# KiCad board conceptpcb.kicad_pcb (continued)
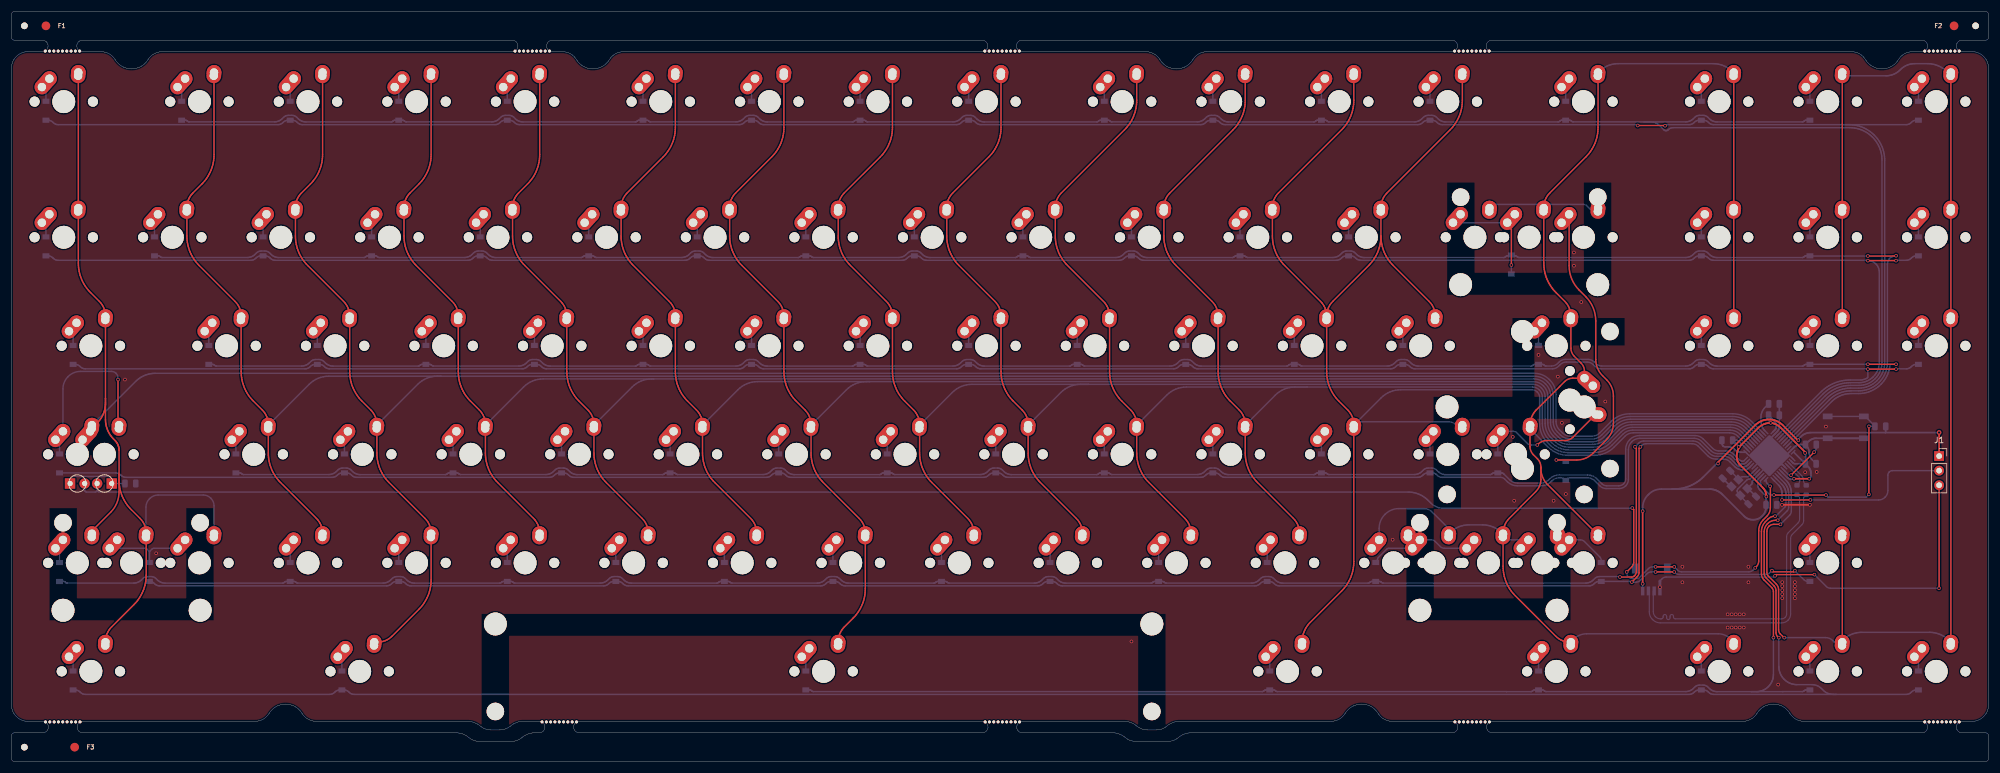
[diagram p0: board, top side]
## Nets
+5V: C4.2 C5.2 C6.2 C7.2 J1.1 J2.1 R1.1 U1.2 U1.7 U1.14 U1.24 U1.34 U1.44
GND: C1.2 C2.2 C3.2 C4.1 C5.1 C6.1 C7.1 J2.4 JP1.1 R2.1 R5.1 SW1.1 U1.1 U1.5 U1.15 U1.18 U1.23 U1.35 U1.43 U1.45 Y1.1 Y1.3
GND1: J1.3 JP1.2
col0: MX1.2 MX18.2 MX34.2 MX50.2 MX51.1 MX63.2 MX75.2 MX_LSHIFT2.2 MX_LSHIFT23.2 U1.32
col1: MX2.2 MX3.2 MX19.2 MX20.2 MX35.2 MX36.2 MX52.2 MX53.2 MX64.2 MX65.2 MX77.2 U1.31
col2: MX4.2 MX5.2 MX21.2 MX22.2 MX37.2 MX38.2 MX54.2 MX55.2 MX66.2 MX67.2 U1.30
col3: MX6.2 MX7.2 MX23.2 MX24.2 MX39.2 MX40.2 MX56.2 MX57.2 MX68.2 MX69.2 MX78.2 U1.29
col4: MX8.2 MX9.2 MX25.2 MX26.2 MX41.2 MX42.2 MX58.2 MX59.2 MX70.2 MX71.2 U1.28
col5: MX10.2 MX11.2 MX27.2 MX28.2 MX43.2 MX44.2 MX60.2 MX61.2 MX72.2 MX73.2 U1.27
col6: MX12.2 MX13.2 MX29.2 MX30.2 MX45.2 MX46.2 MX62.2 MX79.2 MX_enterISO1.2 U1.26
col7: MX14.2 MX15.2 MX31.2 MX47.2 MX81.2 MX82.2 MX_backspace_1.2 MX_backspace_2.2 MX_backspace_3.2 MX_enter1.2 MX_enter2.2 MX_rshift1.2 MX_rtab_1.2 MX_splitrshift1.2 MX_splitrshift2.2 MX_splitrshiftISO1.1 MX_splitrshiftISO2.1 U1.25
col8: MX16.2 MX17.2 MX32.2 MX33.2 MX48.2 MX49.2 MX74.2 MX83.2 MX84.2 U1.8
D+: J2.3 R3.2
D-: J2.2 R4.2
RGBLED: J1.2 U1.11
row0: D2.1 D4.1 D6.1 D8.1 D10.1 D12.1 D14.1 D16.1 D18.1 U1.39
row1: D3.1 D5.1 D7.1 D9.1 D11.1 D13.1 D15.1 D17.1 U1.38
row2: D19.1 D21.1 D23.1 D25.1 D27.1 D29.1 D31.1 D33.1 D35.1 U1.37
row3: D20.1 D22.1 D24.1 D26.1 D28.1 D30.1 D32.1 D34.1 U1.40
row4: D36.1 D38.1 D40.1 D42.1 D44.1 D46.1 D48.1 D50.1 D52.1 U1.36
row5: D37.1 D39.1 D41.1 D43.1 D45.1 D47.1 D49.1 D51.1 U1.41
row6: D53.1 D55.1 D57.1 D59.1 D61.1 D63.1 D66.1 D82.1 U1.21
row7: D54.1 D56.1 D58.1 D60.1 D62.1 D64.1 D65.1 U1.22
row8: D67.1 D69.1 D71.1 D73.1 D75.1 D77.1 D79.1 D80.1 U1.19
row9: D68.1 D70.1 D72.1 D74.1 D76.1 D78.1 D86.1 U1.20
row10: D81.1 D83.1 D88.1 D90.1 U1.9
row11: D84.1 D85.1 D87.1 D89.1 U1.10
XTAL1: C1.1 U1.17 Y1.2
XTAL2: C2.1 U1.16 Y1.4
Net-(D1-A): D1.2 D1#2.2 U1.12
Net-(D1-K): D1.1 D1#2.1 R2.2
Net-(D2-A): D2.2 MX1.1
Net-(D3-A): D3.2 MX2.1
Net-(D4-A): D4.2 MX3.1
Net-(D5-A): D5.2 MX4.1
Net-(D6-A): D6.2 MX5.1
Net-(D7-A): D7.2 MX6.1
Net-(D8-A): D8.2 MX7.1
Net-(D9-A): D9.2 MX8.1
Net-(D10-A): D10.2 MX9.1
Net-(D11-A): D11.2 MX10.1
Net-(D12-A): D12.2 MX11.1
Net-(D13-A): D13.2 MX12.1
Net-(D14-A): D14.2 MX13.1
Net-(D15-A): D15.2 MX14.1
Net-(D16-A): D16.2 MX15.1
Net-(D17-A): D17.2 MX16.1
Net-(D18-A): D18.2 MX17.1
Net-(D19-A): D19.2 MX18.1
Net-(D20-A): D20.2 MX19.1
Net-(D21-A): D21.2 MX20.1
Net-(D22-A): D22.2 MX21.1
Net-(D23-A): D23.2 MX22.1
Net-(D24-A): D24.2 MX23.1
Net-(D25-A): D25.2 MX24.1
Net-(D26-A): D26.2 MX25.1
Net-(D27-A): D27.2 MX26.1
Net-(D28-A): D28.2 MX27.1
Net-(D29-A): D29.2 MX28.1
Net-(D30-A): D30.2 MX29.1
Net-(D31-A): D31.2 MX30.1
Net-(D32-A): D32.2 MX_backspace_1.1 MX_backspace_2.1
Net-(D33-A): D33.2 MX31.1
Net-(D34-A): D34.2 MX32.1
Net-(D35-A): D35.2 MX33.1
Net-(D36-A): D36.2 MX34.1
Net-(D37-A): D37.2 MX35.1
Net-(D38-A): D38.2 MX36.1
Net-(D39-A): D39.2 MX37.1
Net-(D40-A): D40.2 MX38.1
Net-(D41-A): D41.2 MX39.1
Net-(D42-A): D42.2 MX40.1
Net-(D43-A): D43.2 MX41.1
Net-(D44-A): D44.2 MX42.1
Net-(D45-A): D45.2 MX43.1
Net-(D46-A): D46.2 MX44.1
Net-(D47-A): D47.2 MX45.1
Net-(D48-A): D48.2 MX46.1
Net-(D49-A): D49.2 MX_rtab_1.1
Net-(D50-A): D50.2 MX47.1
Net-(D51-A): D51.2 MX48.1
Net-(D52-A): D52.2 MX49.1
Net-(D53-A): D53.2 MX50.1 MX51.2
Net-(D54-A): D54.2 MX52.1
Net-(D55-A): D55.2 MX53.1
Net-(D56-A): D56.2 MX54.1
Net-(D57-A): D57.2 MX55.1
Net-(D58-A): D58.2 MX56.1
Net-(D59-A): D59.2 MX57.1
Net-(D60-A): D60.2 MX58.1
Net-(D61-A): D61.2 MX59.1
Net-(D62-A): D62.2 MX60.1
Net-(D63-A): D63.2 MX61.1
Net-(D64-A): D64.2 MX62.1
Net-(D65-A): D65.2 MX_enter1.1 MX_enter2.1
Net-(D66-A): D66.2 MX_backspace_3.1
Net-(D67-A): D67.2 MX63.1 MX_LSHIFT2.1
Net-(D68-A): D68.2 MX64.1
Net-(D69-A): D69.2 MX65.1
Net-(D70-A): D70.2 MX66.1
Net-(D71-A): D71.2 MX67.1
Net-(D72-A): D72.2 MX68.1
Net-(D73-A): D73.2 MX69.1
Net-(D74-A): D74.2 MX70.1
Net-(D75-A): D75.2 MX71.1
Net-(D76-A): D76.2 MX72.1
Net-(D77-A): D77.2 MX73.1
Net-(D78-A): D78.2 MX_rshift1.1 MX_splitrshift1.1 MX_splitrshiftISO1.2
Net-(D79-A): D79.2 MX_splitrshift2.1 MX_splitrshiftISO2.2
Net-(D80-A): D80.2 MX74.1
Net-(D81-A): D81.2 MX75.1
Net-(D82-A): D82.2 MX_enterISO1.1
Net-(D83-A): D83.2 MX77.1
Net-(D84-A): D84.2 MX78.1
Net-(D85-A): D85.2 MX79.1
Net-(D86-A): D86.2 MX_LSHIFT23.1
Net-(D87-A): D87.2 MX81.1
Net-(D88-A): D88.2 MX82.1
Net-(D89-A): D89.2 MX83.1
Net-(D90-A): D90.2 MX84.1
Net-(U1-D+): R3.1 U1.4
Net-(U1-D-): R4.1 U1.3
Net-(U1-UCAP): C3.1 U1.6
Net-(U1-~{HWB}/PE2): R5.2 U1.33
Net-(U1-~{RESET}): R1.2 SW1.2 U1.13

Pads without a net: U1 42

## Via types
v1: diameter 0.6, hole 0.4, Top to Bottom, 101 vias
v2: diameter 0.8, hole 0.4, Top to Bottom, 1 via

## Routing (per net, layer and track width the routed paths; a pad name or vN(x,y) marks a point on that pad's centre or on a via; arc(x,y) is an arc through that point)
+5V: length 156.6
  Top w0.3: v1(305.55,46.14) 305.55,46.17 305.54,46.39 305.51,46.6 305.46,46.81 305.38,47.01 305.29,47.2 305.18,47.38 305.06,47.55 304.91,47.71 301.01,51.61 300.87,51.77 300.74,51.94 300.63,52.13 300.54,52.32 300.47,52.52 300.42,52.73 300.39,52.94 300.38,53.15 300.39,53.43 300.43,53.72 300.5,53.99 300.6,54.26 300.72,54.52 300.86,54.76 301.03,54.99 301.22,55.2 304.09,58.07 304.32,58.27 304.57,58.46 304.83,58.61 305.1,58.74 305.39,58.85 305.69,58.92 305.99,58.97 306.3,58.98 v1(306.3,58.98) ; v1(284.01,30.95) v1(284.01,43.6) ; 311.03,55.96 308.41,58.58 308.16,58.8 307.89,59 307.61,59.17 307.31,59.31 307,59.42 306.67,59.5 306.35,59.55 306.02,59.57 305.98,59.57 305.65,59.55 305.32,59.5 305,59.42 304.69,59.31 304.39,59.17 304.1,59 303.84,58.8 303.59,58.58 297.14,52.12 v1(297.14,51.89) ; 306.26,58.99 306.54,58.94 306.82,58.88 307.08,58.78 307.34,58.66 307.58,58.51 307.81,58.34 308.02,58.15 312.38,53.8 ; J1.1 v2(335.62,57.3) ; v1(310.37,49.25) v1(313.01,49.25)
  Bottom w0.25: U1.14 304.03,49.11 304.03,48.26 304.04,48.12 304.06,47.98 304.1,47.84 304.14,47.71 304.21,47.58 304.28,47.45 304.36,47.34 304.46,47.24 v1(305.55,46.14) ; J2.1 v1(284.01,30.95)
  Bottom w0.3: 326.27,57.28 335.41,57.28 v2(335.62,57.3) ; 326.27,57.28 326.33,57.34 326.33,58.41 ; 326.27,57.28 313.26,57.28 313.02,57.27 312.79,57.23 312.56,57.18 312.33,57.1 312.12,56.99 311.91,56.87 311.72,56.73 311.55,56.57 311.03,56.05 ; 289.16,47.45 287.25,47.45 arc(286.07,47.21) 285.06,46.54 284.92,46.4 arc(284.25,45.39) 284.01,44.21 v1(284.01,43.6) ; 289.16,47.45 289.46,47.45 289.82,47.46 290.17,47.48 290.52,47.53 290.87,47.59 291.22,47.67 291.56,47.76 291.9,47.87 292.23,48 292.56,48.15 292.88,48.31 293.18,48.48 293.48,48.67 293.78,48.88 294.06,49.09 294.32,49.33 294.58,49.57 296.9,51.89 v1(297.14,51.89) ; 289.16,47.45 295.6,47.45 295.76,47.45 295.92,47.43 296.08,47.41 296.23,47.39 296.39,47.35 296.55,47.31 296.7,47.26 296.85,47.2 296.99,47.14 297.14,47.07 297.27,46.99 297.41,46.9 297.54,46.81 297.67,46.71 297.79,46.61 297.9,46.5 301.66,42.74 301.81,42.6 301.98,42.47 302.17,42.36 302.36,42.27 302.56,42.2 302.77,42.15 302.98,42.12 303.19,42.11 303.28,42.11 303.49,42.12 303.71,42.15 303.91,42.2 304.11,42.27 304.31,42.36 304.49,42.47 304.66,42.6 304.82,42.74 304.85,42.78 304.99,42.93 305.12,43.11 305.23,43.29 305.32,43.48 305.39,43.68 305.45,43.89 305.48,44.1 305.49,44.31 ; v1(310.37,49.25) 310.26,49.14 310,49.14 309.85,49.15 309.69,49.18 309.54,49.23 309.4,49.3 309.27,49.39 309.15,49.5 U1.7 ; 312.38,53.8 312.38,51.94 ; C7.2 310.54,51.85 arc(310.35,51.89) 310.18,52 U1.2 ; C7.2 312.82,51.37 312.93,51.25 313.03,51.11 313.11,50.97 313.18,50.82 313.24,50.67 313.28,50.51 313.3,50.34 313.31,50.18 313.31,49.75 arc(313.27,49.56) 313.17,49.4 v1(313.01,49.25) ; C7.2 310.32,53.86 ; v1(305.55,46.14) 305.49,46.08 C4.2 ; U1.34 307.03,57.76 307.15,57.9 307.24,58.06 307.29,58.24 307.31,58.43 307.31,58.43 307.28,58.66 307.22,58.89 307.1,59.1 306.95,59.28 C6.2 ; v1(306.3,58.98) 306.29,59 306.14,59.18 306.02,59.39 305.96,59.62 305.93,59.85 ; U1.24 300.71,55.81 arc(300.55,55.92) 300.36,55.96 C5.2 300.72,54.92 v1(300.72,54.78)
  vias: v1(311.12,55.96) v1(312.29,53.74)
GND: length 57.8
  Top w0.3: v1(308.28,44.7) v1(313.12,44.7)
  Bottom w0.2: U1.23 302.54,53.27 U1.45 309.62,53.27 U1.1 ; 305.37,53.27 U1.18 ; 306.08,51.86 U1.15
  Bottom w0.25: C7.1 313.52,52.54 313.41,52.67 313.3,52.81 313.21,52.96 313.14,53.12 313.08,53.28 313.03,53.45 313.01,53.63 313,53.8 313,53.81 312.99,53.99 312.97,54.16 312.92,54.33 312.86,54.5 312.79,54.66 312.69,54.81
  Bottom w0.3: C5.1 297.81,55.36 arc(297.84,55.17) 297.95,55.01 298.02,54.95 arc(298.18,54.84) 298.37,54.8 298.99,54.8 299.27,54.77 299.54,54.69 299.79,54.56 300.01,54.38 300.1,54.29 300.32,54.11 300.57,53.98 300.84,53.89 301.12,53.86 U1.23 ; 316.12,56.3 314.21,56.3 314.03,56.29 313.85,56.27 313.68,56.22 313.51,56.16 313.35,56.09 313.2,55.99 313.06,55.89 312.93,55.77 C3.2 311.59,55.2 311.41,55.19 311.23,55.17 311.06,55.12 310.89,55.06 310.73,54.99 310.58,54.9 310.44,54.79 310.31,54.67 U1.43 308.91,53.27 ; Y1.1 302.98,48.3 arc(303.06,48.43) 303.09,48.58 303.09,48.7 arc(303.12,48.86) 303.21,48.99 U1.15 ; 306.08,56.1 U1.35 307.45,57.47 307.6,57.66 307.72,57.87 307.78,58.09 307.81,58.33 C6.1 R5.1 ; 299.34,47.9 C1.2 ; 307.64,51.72 308.34,51.72 U1.5 ; 302.34,47.55 C2.2
  Bottom w0.375: 322.43,56.3 316.12,56.3
  vias: v1(19.76,66.52) v1(25.19,36.26) v1(195,20.91) v1(240.48,38.63) v1(261.4,56.54) v1(261.64,45.41) v1(265.88,70.82) v1(268.5,45.41) v1(269.24,67.03) v1(269.95,58.99) v1(270.63,46.59) v1(272.04,88.65) v1(272.04,86.35) v1(273.32,80.02) v1(277.5,62.69) v1(287.01,30.36) v1(290.93,33.92) v1(290.93,31.22) v1(298.81,25.63) v1(298.81,23.33) v1(299.51,25.63) v1(299.51,23.33) v1(300.21,25.63) v1(300.21,23.33) v1(300.91,25.63) v1(300.91,23.33) v1(301.61,25.63) v1(301.61,23.33) v1(302.43,33.92) v1(302.43,31.22) v1(307.6,13.4) v1(308.31,31.23) v1(308.31,30.53) v1(308.31,29.83) v1(308.31,29.13) v1(308.31,28.43) v1(310.51,31.23) v1(310.51,30.53) v1(310.51,29.83) v1(310.51,29.13) v1(310.51,28.43) v1(312.3,50.38) v1(314.31,50.43) v1(315.91,58.33)
GND1: length 67.9
  Top w0.25: v1(335.61,30.18) 335.62,30.2 J1.3 ; v1(313.92,32.55) 307.27,32.55 v1(307.05,32.33)
  Bottom w0.25: v1(313.92,32.55) 315.99,30.47 arc(316.32,30.26) 316.7,30.18 v1(335.61,30.18) ; JP1.2 287.4,31.84 arc(287.72,32.05) 288.11,32.13 306.85,32.13 v1(307.05,32.33)
col0: length 447.8
  Top w0.25: 18.73,50.02 18.73,54.21 18.72,54.33 18.72,54.45 18.7,54.57 18.68,54.68 18.66,54.8 18.62,54.91 18.59,55.03 18.54,55.14 18.5,55.24 18.44,55.35 18.38,55.45 18.32,55.55 18.25,55.65 18.18,55.74 18.1,55.83 18.02,55.92 17.78,56.16 17.62,56.33 17.46,56.51 17.32,56.7 17.18,56.89 17.05,57.09 16.94,57.3 16.83,57.51 16.73,57.73 16.65,57.95 16.57,58.17 16.51,58.4 16.46,58.63 16.42,58.87 16.39,59.1 16.37,59.34 16.37,59.58 16.37,63.25 ; 18.73,50.02 18.73,46.95 arc(18.35,45.04) 17.26,43.41 13.53,39.68 ; 18.73,50.02 18.73,49 18.74,48.64 18.76,48.29 18.81,47.93 18.87,47.58 18.94,47.24 19.04,46.89 19.15,46.56 19.28,46.22 19.42,45.9 19.58,45.58 19.76,45.27 19.95,44.97 20.15,44.68 20.37,44.4 20.6,44.13 20.85,43.87 22.39,42.33 22.63,42.07 22.84,41.78 23.02,41.48 23.18,41.16 23.3,40.82 23.38,40.48 ; 16.37,63.25 16.37,62.41 16.36,62.17 16.34,61.94 16.31,61.7 16.27,61.47 16.22,61.24 16.16,61.01 16.08,60.78 16,60.56 15.9,60.35 15.79,60.13 15.68,59.93 15.55,59.73 15.41,59.53 15.27,59.35 15.11,59.17 14.95,59 ; 16.37,63.25 16.37,75.89 ; MX63.2 23.45,32.46 23.44,32.1 23.42,31.75 23.37,31.4 23.31,31.05 23.24,30.7 23.14,30.36 23.03,30.02 22.9,29.69 22.76,29.36 22.6,29.04 22.42,28.74 22.23,28.43 22.03,28.14 21.81,27.86 21.58,27.59 21.33,27.34 17.43,23.43 17.19,23.17 16.98,22.88 16.79,22.58 16.64,22.26 16.52,21.92 16.43,21.58 ; 16.3,78.28 16.21,78.62 16.09,78.96 15.94,79.28 15.75,79.58 15.54,79.87 15.3,80.13 13.76,81.67 13.52,81.93 13.28,82.2 13.07,82.48 12.86,82.77 12.67,83.07 12.5,83.38 12.34,83.7 12.19,84.02 12.06,84.36 11.95,84.69 11.86,85.04 11.78,85.38 11.72,85.73 11.67,86.09 11.65,86.44 11.64,86.8 MX18.2 MX1.2
  Bottom w0.25: MX63.2 23.41,44.3 arc(23.56,45.07) 24,45.72 24.11,45.83 arc(24.76,46.26) 25.52,46.41 33.4,46.41 arc(34.09,46.28) 34.67,45.89 34.74,45.82 arc(35.13,45.23) 35.27,44.54 MX_LSHIFT2.2 ; U1.32 302.97,59.22 arc(301.47,60.21) 299.71,60.56 281.77,60.56 arc(280.01,60.21) 278.52,59.22 276.53,57.22 arc(275.88,56.79) 275.11,56.64 271.46,56.64 arc(270.7,56.79) 270.05,57.22 269.51,57.76 arc(269.08,58.41) 268.93,59.17 268.93,63.86 arc(268.65,65.23) 267.87,66.4 267.72,66.56 arc(266.55,67.34) 265.17,67.61 25.03,67.61 24.8,67.6 24.56,67.59 24.32,67.56 24.09,67.52 23.86,67.47 23.63,67.4 23.41,67.33 23.18,67.24 22.97,67.15 22.76,67.04 22.55,66.92 22.35,66.8 22.16,66.66 21.97,66.51 21.79,66.36 21.62,66.2 MX50.2
col1: length 481.9
  Top w0.25: 49.55,97.35 49.6,97.52 49.65,97.69 49.72,97.86 49.79,98.02 49.87,98.18 49.96,98.33 50.05,98.48 50.15,98.63 50.26,98.77 50.38,98.9 50.5,99.03 52.04,100.57 52.29,100.83 52.52,101.1 52.74,101.38 52.94,101.67 53.13,101.97 53.31,102.28 53.47,102.6 53.61,102.92 53.74,103.26 53.85,103.59 53.95,103.94 54.03,104.28 54.09,104.63 54.13,104.99 54.16,105.34 54.16,105.7 54.16,118.41 ; MX20.2 49.44,91.52 49.45,91.17 49.47,90.81 49.52,90.46 49.58,90.11 49.66,89.76 49.75,89.42 49.86,89.08 49.99,88.75 50.14,88.42 50.3,88.11 50.47,87.8 50.66,87.5 50.87,87.21 51.08,86.93 51.32,86.66 51.56,86.4 57.83,80.13 58.07,79.87 58.28,79.58 58.46,79.28 58.61,78.96 58.73,78.62 58.82,78.28 ; MX36.2 58.89,67.9 58.9,67.54 58.92,67.19 58.97,66.83 59.03,66.48 59.11,66.14 59.2,65.79 59.31,65.46 59.44,65.12 59.59,64.8 59.75,64.48 59.92,64.17 60.11,63.87 60.32,63.58 60.53,63.3 60.77,63.03 61.01,62.77 62.55,61.23 62.79,60.97 63,60.68 63.19,60.38 63.34,60.06 63.46,59.72 63.55,59.38 ; MX53.2 63.61,53.72 63.62,53.37 63.65,53.01 63.69,52.66 63.75,52.31 63.83,51.96 63.93,51.62 64.04,51.28 64.17,50.95 64.31,50.62 64.47,50.31 64.65,50 64.84,49.7 65.04,49.41 65.26,49.13 65.49,48.86 65.74,48.6 72,42.33 72.24,42.07 72.45,41.78 72.64,41.48 72.79,41.16 72.91,40.82 73,40.48 ; 54.1,40.48 54.01,40.82 53.89,41.16 53.74,41.48 53.55,41.78 53.34,42.07 53.1,42.33 46.84,48.6 46.59,48.86 46.36,49.13 46.14,49.41 45.94,49.7 45.75,50 45.57,50.31 45.41,50.62 45.27,50.95 45.14,51.28 45.03,51.62 44.93,51.96 44.85,52.31 44.79,52.66 44.75,53.01 44.72,53.37 44.71,53.72 MX52.2 ; MX35.2 39.99,67.9 40,67.54 40.02,67.19 40.07,66.83 40.13,66.48 40.21,66.14 40.3,65.79 40.41,65.46 40.54,65.12 40.69,64.8 40.85,64.48 41.02,64.17 41.21,63.87 41.42,63.58 41.63,63.3 41.87,63.03 42.11,62.77 43.65,61.23 43.89,60.97 44.1,60.68 44.29,60.38 44.44,60.06 44.56,59.72 44.65,59.38 ; 64.06,20.8 64.41,20.85 64.76,20.94 65.09,21.06 65.41,21.21 65.72,21.39 66,21.6 66.27,21.84 70.94,26.52 71.19,26.78 71.42,27.04 71.64,27.32 71.84,27.62 72.03,27.92 72.21,28.22 72.37,28.54 72.51,28.87 72.64,29.2 72.75,29.54 72.85,29.88 72.93,30.23 72.99,30.58 73.03,30.93 73.06,31.28 73.06,31.64 MX65.2 ; MX19.2 30.54,91.52 30.55,91.17 30.57,90.81 30.62,90.46 30.68,90.11 30.76,89.76 30.85,89.42 30.96,89.08 31.09,88.75 31.24,88.42 31.4,88.11 31.57,87.8 31.76,87.5 31.97,87.21 32.18,86.93 32.42,86.66 32.66,86.4 38.93,80.13 39.17,79.87 39.38,79.58 39.56,79.28 39.71,78.96 39.83,78.62 39.92,78.28 ; 30.65,97.35 30.7,97.52 30.75,97.69 30.82,97.86 30.89,98.02 30.97,98.18 31.06,98.33 31.15,98.48 31.25,98.63 31.36,98.77 31.48,98.9 31.6,99.03 33.14,100.57 33.39,100.83 33.62,101.1 33.84,101.38 34.04,101.67 34.23,101.97 34.41,102.28 34.57,102.6 34.71,102.92 34.84,103.26 34.95,103.59 35.05,103.94 35.13,104.28 35.19,104.63 35.23,104.99 35.26,105.34 35.27,105.7 35.27,118.41
  Bottom w0.25: MX53.2 70.73,65.69 71.08,66.01 71.46,66.29 71.87,66.54 72.3,66.74 72.74,66.9 73.2,67.02 73.67,67.08 74.14,67.11 74.78,67.11 ; 74.78,67.11 55.24,67.11 54.77,67.08 54.3,67.02 53.84,66.9 53.4,66.74 52.97,66.54 52.56,66.29 52.18,66.01 51.83,65.69 MX52.2 ; 74.78,67.11 265.13,67.11 arc(266.35,66.86) 267.39,66.17 267.5,66.06 arc(268.19,65.02) 268.44,63.8 268.44,59.12 arc(268.62,58.2) 269.14,57.42 269.69,56.87 arc(270.47,56.35) 271.39,56.16 275.18,56.16 arc(276.1,56.35) 276.88,56.87 278.87,58.86 arc(280.23,59.77) 281.84,60.09 299.65,60.09 arc(301.25,59.77) 302.62,58.86 U1.31
col2: length 419.7
  Top w0.25: 101.35,59.38 101.26,59.72 101.14,60.06 100.99,60.38 100.8,60.68 100.59,60.97 100.35,61.23 98.81,62.77 98.57,63.03 98.33,63.3 98.12,63.58 97.91,63.87 97.72,64.17 97.55,64.48 97.39,64.8 97.24,65.12 97.11,65.46 97,65.79 96.91,66.14 96.83,66.48 96.77,66.83 96.72,67.19 96.7,67.54 96.69,67.9 MX38.2 ; MX21.2 68.34,91.52 68.35,91.17 68.37,90.81 68.42,90.46 68.48,90.11 68.56,89.76 68.65,89.42 68.76,89.08 68.89,88.75 69.04,88.42 69.2,88.11 69.37,87.8 69.56,87.5 69.77,87.21 69.98,86.93 70.22,86.66 70.46,86.4 76.73,80.13 76.97,79.87 77.18,79.58 77.36,79.28 77.51,78.96 77.63,78.62 77.72,78.28 ; MX54.2 82.52,53.72 82.52,53.37 82.55,53.01 82.59,52.66 82.65,52.31 82.73,51.96 82.83,51.62 82.94,51.28 83.07,50.95 83.21,50.62 83.37,50.31 83.55,50 83.74,49.7 83.94,49.41 84.16,49.13 84.39,48.86 84.64,48.6 90.9,42.33 91.14,42.07 91.35,41.78 91.54,41.48 91.69,41.16 91.81,40.82 91.9,40.48 ; 68.45,97.35 68.5,97.52 68.55,97.69 68.62,97.86 68.69,98.02 68.77,98.18 68.86,98.33 68.95,98.48 69.05,98.63 69.16,98.77 69.28,98.9 69.4,99.03 70.94,100.57 71.19,100.83 71.42,101.1 71.64,101.38 71.84,101.67 72.03,101.97 72.21,102.28 72.37,102.6 72.51,102.92 72.64,103.26 72.75,103.59 72.85,103.94 72.93,104.28 72.99,104.63 73.03,104.99 73.06,105.34 73.06,105.7 73.06,118.41 ; 96.62,78.28 96.53,78.62 96.41,78.96 96.26,79.28 96.08,79.58 95.87,79.87 95.63,80.13 89.36,86.4 89.12,86.66 88.88,86.93 88.67,87.21 88.46,87.5 88.27,87.8 88.1,88.11 87.94,88.42 87.79,88.75 87.66,89.08 87.55,89.42 87.46,89.76 87.38,90.11 87.32,90.46 87.27,90.81 87.25,91.17 87.24,91.52 MX22.2 ; 91.97,118.41 91.97,105.7 91.96,105.34 91.93,104.99 91.89,104.63 91.83,104.28 91.75,103.94 91.65,103.59 91.54,103.26 91.41,102.92 91.27,102.6 91.11,102.28 90.93,101.97 90.74,101.67 90.54,101.38 90.32,101.1 90.09,100.83 89.84,100.57 88.3,99.03 88.18,98.9 88.06,98.77 87.95,98.63 87.85,98.48 87.76,98.33 87.67,98.18 87.59,98.02 87.52,97.86 87.45,97.69 87.4,97.52 87.35,97.35 ; 82.45,59.38 82.36,59.72 82.24,60.06 82.09,60.38 81.9,60.68 81.69,60.97 81.45,61.23 79.91,62.77 79.67,63.03 79.43,63.3 79.22,63.58 79.01,63.87 78.82,64.17 78.65,64.48 78.49,64.8 78.34,65.12 78.21,65.46 78.1,65.79 78.01,66.14 77.93,66.48 77.87,66.83 77.82,67.19 77.8,67.54 77.79,67.9 MX37.2 ; 110.8,40.48 110.71,40.82 110.59,41.16 110.44,41.48 110.25,41.78 110.04,42.07 109.8,42.33 103.54,48.6 103.29,48.86 103.06,49.13 102.84,49.41 102.64,49.7 102.45,50 102.27,50.31 102.11,50.62 101.97,50.95 101.84,51.28 101.73,51.62 101.63,51.96 101.55,52.31 101.49,52.66 101.45,53.01 101.42,53.37 101.41,53.72 MX55.2
  Bottom w0.25: MX54.2 89.16,65.22 89.51,65.54 89.89,65.82 90.29,66.07 90.72,66.27 91.17,66.43 91.63,66.54 92.1,66.61 92.57,66.64 111.82,66.64 ; MX55.2 108.06,65.22 108.41,65.54 108.79,65.82 109.19,66.07 109.62,66.27 110.07,66.43 110.53,66.54 111,66.61 111.47,66.64 111.82,66.64 ; 111.82,66.64 265.06,66.64 arc(266.13,66.42) 267.04,65.82 267.14,65.71 arc(267.75,64.8) 267.96,63.73 267.96,59.04 arc(268.18,57.97) 268.78,57.06 269.34,56.51 arc(270.25,55.9) 271.32,55.69 275.25,55.69 arc(276.33,55.9) 277.23,56.51 279.23,58.5 arc(280.46,59.33) 281.91,59.62 299.58,59.62 arc(301.03,59.33) 302.26,58.5 U1.30
col3: length 407.9
  Top w0.25: MX7.2 134.49,110.42 134.48,110.07 134.46,109.71 134.41,109.36 134.35,109.01 134.27,108.66 134.18,108.32 134.07,107.98 133.94,107.65 133.79,107.32 133.63,107.01 133.46,106.7 133.27,106.4 133.06,106.11 132.85,105.83 132.61,105.56 132.37,105.3 126.1,99.03 125.86,98.77 125.65,98.48 125.47,98.18 125.32,97.86 125.2,97.52 125.11,97.18 ; 115.52,78.28 115.43,78.62 115.31,78.96 115.16,79.28 114.98,79.58 114.77,79.87 114.53,80.13 108.26,86.4 108.02,86.66 107.78,86.93 107.57,87.21 107.36,87.5 107.17,87.8 107,88.11 106.84,88.42 106.69,88.75 106.56,89.08 106.45,89.42 106.36,89.76 106.28,90.11 106.22,90.46 106.17,90.81 106.15,91.17 106.14,91.52 MX23.2 ; 148.6,40.48 148.51,40.82 148.39,41.16 148.24,41.48 148.05,41.78 147.84,42.07 147.6,42.33 141.34,48.6 141.09,48.86 140.86,49.13 140.64,49.41 140.44,49.7 140.25,50 140.07,50.31 139.91,50.62 139.77,50.95 139.64,51.28 139.53,51.62 139.43,51.96 139.35,52.31 139.29,52.66 139.25,53.01 139.22,53.37 139.22,53.72 MX57.2 ; 134.42,78.28 134.33,78.62 134.21,78.96 134.06,79.28 133.88,79.58 133.67,79.87 133.43,80.13 127.16,86.4 126.92,86.66 126.68,86.93 126.47,87.21 126.26,87.5 126.07,87.8 125.9,88.11 125.74,88.42 125.59,88.75 125.46,89.08 125.35,89.42 125.26,89.76 125.18,90.11 125.12,90.46 125.07,90.81 125.05,91.17 125.04,91.52 MX24.2 ; MX56.2 120.31,53.72 120.32,53.37 120.35,53.01 120.39,52.66 120.45,52.31 120.53,51.96 120.63,51.62 120.74,51.28 120.87,50.95 121.01,50.62 121.17,50.31 121.35,50 121.54,49.7 121.74,49.41 121.96,49.13 122.19,48.86 122.44,48.6 128.7,42.33 128.94,42.07 129.15,41.78 129.34,41.48 129.49,41.16 129.61,40.82 129.7,40.48 ; 120.25,59.38 120.16,59.72 120.04,60.06 119.89,60.38 119.7,60.68 119.49,60.97 119.25,61.23 117.71,62.77 117.47,63.03 117.23,63.3 117.02,63.58 116.81,63.87 116.62,64.17 116.45,64.48 116.29,64.8 116.14,65.12 116.01,65.46 115.9,65.79 115.81,66.14 115.73,66.48 115.67,66.83 115.62,67.19 115.6,67.54 115.59,67.9 MX39.2 ; 106.21,97.18 106.3,97.52 106.42,97.86 106.57,98.18 106.75,98.48 106.96,98.77 107.2,99.03 113.47,105.3 113.71,105.56 113.95,105.83 114.16,106.11 114.37,106.4 114.56,106.7 114.73,107.01 114.89,107.32 115.04,107.65 115.17,107.98 115.28,108.32 115.37,108.66 115.45,109.01 115.51,109.36 115.56,109.71 115.58,110.07 115.59,110.42 MX6.2 ; MX69.2 148.66,30.1 148.66,29.74 148.63,29.39 148.59,29.03 148.53,28.68 148.45,28.34 148.35,27.99 148.24,27.66 148.11,27.32 147.97,27 147.81,26.68 147.63,26.37 147.44,26.07 147.24,25.78 147.02,25.5 146.79,25.23 146.54,24.97 145,23.43 144.76,23.17 144.55,22.88 144.37,22.58 144.22,22.26 144.1,21.92 144.01,21.58 ; MX40.2 134.49,67.9 134.5,67.54 134.52,67.19 134.57,66.83 134.63,66.48 134.71,66.14 134.8,65.79 134.91,65.46 135.04,65.12 135.19,64.8 135.35,64.48 135.52,64.17 135.71,63.87 135.92,63.58 136.13,63.3 136.37,63.03 136.61,62.77 138.15,61.23 138.39,60.97 138.6,60.68 138.79,60.38 138.94,60.06 139.06,59.72 139.15,59.38
  Bottom w0.25: 149.43,66.16 264.98,66.16 arc(265.9,65.98) 266.68,65.46 266.79,65.35 arc(267.31,64.57) 267.49,63.66 267.49,58.97 arc(267.73,57.75) 268.43,56.71 268.98,56.15 arc(270.02,55.46) 271.25,55.22 275.33,55.22 arc(276.55,55.46) 277.59,56.15 279.52,58.09 arc(280.69,58.87) 282.07,59.14 299.43,59.14 arc(300.8,58.87) 301.97,58.09 U1.29 ; 149.43,66.16 129.9,66.16 129.42,66.14 128.96,66.07 128.5,65.96 128.05,65.8 127.62,65.59 127.22,65.35 126.83,65.07 126.48,64.75 MX56.2 ; 149.43,66.16 148.8,66.16 148.32,66.14 147.86,66.07 147.4,65.96 146.95,65.8 146.52,65.59 146.12,65.35 145.73,65.07 145.38,64.75 MX57.2
col4: length 350.1
  Top w0.25: 176.95,59.38 176.86,59.72 176.74,60.06 176.59,60.38 176.4,60.68 176.19,60.97 175.95,61.23 174.41,62.77 174.17,63.03 173.93,63.3 173.72,63.58 173.51,63.87 173.32,64.17 173.15,64.48 172.99,64.8 172.84,65.12 172.71,65.46 172.6,65.79 172.51,66.14 172.43,66.48 172.37,66.83 172.32,67.19 172.3,67.54 172.29,67.9 MX42.2 ; MX41.2 153.39,67.9 153.4,67.54 153.42,67.19 153.47,66.83 153.53,66.48 153.61,66.14 153.7,65.79 153.81,65.46 153.94,65.12 154.09,64.8 154.25,64.48 154.42,64.17 154.61,63.87 154.82,63.58 155.03,63.3 155.27,63.03 155.51,62.77 157.05,61.23 157.29,60.97 157.5,60.68 157.69,60.38 157.84,60.06 157.96,59.72 158.05,59.38 ; 186.4,40.48 186.31,40.82 186.19,41.16 186.04,41.48 185.85,41.78 185.64,42.07 185.4,42.33 179.14,48.6 178.89,48.86 178.66,49.13 178.44,49.41 178.24,49.7 178.05,50 177.87,50.31 177.71,50.62 177.57,50.95 177.44,51.28 177.33,51.62 177.23,51.96 177.15,52.31 177.09,52.66 177.05,53.01 177.02,53.37 177.01,53.72 MX59.2 ; 162.91,97.18 163,97.52 163.12,97.86 163.27,98.18 163.45,98.48 163.66,98.77 163.9,99.03 170.17,105.3 170.41,105.56 170.65,105.83 170.86,106.11 171.07,106.4 171.26,106.7 171.43,107.01 171.59,107.32 171.74,107.65 171.87,107.98 171.98,108.32 172.07,108.66 172.15,109.01 172.21,109.36 172.26,109.71 172.28,110.07 172.29,110.42 MX9.2 ; MX25.2 143.94,91.52 143.95,91.17 143.97,90.81 144.02,90.46 144.08,90.11 144.16,89.76 144.25,89.42 144.36,89.08 144.49,88.75 144.64,88.42 144.8,88.11 144.97,87.8 145.16,87.5 145.37,87.21 145.58,86.93 145.82,86.66 146.06,86.4 152.33,80.13 152.57,79.87 152.78,79.58 152.96,79.28 153.11,78.96 153.23,78.62 153.32,78.28 ; MX8.2 153.39,110.42 153.38,110.07 153.36,109.71 153.31,109.36 153.25,109.01 153.17,108.66 153.08,108.32 152.97,107.98 152.84,107.65 152.69,107.32 152.53,107.01 152.36,106.7 152.17,106.4 151.96,106.11 151.75,105.83 151.51,105.56 151.27,105.3 145,99.03 144.76,98.77 144.55,98.48 144.37,98.18 144.22,97.86 144.1,97.52 144.01,97.18 ; MX58.2 158.12,53.72 158.12,53.37 158.15,53.01 158.19,52.66 158.25,52.31 158.33,51.96 158.43,51.62 158.54,51.28 158.67,50.95 158.81,50.62 158.97,50.31 159.15,50 159.34,49.7 159.54,49.41 159.76,49.13 159.99,48.86 160.24,48.6 166.5,42.33 166.74,42.07 166.95,41.78 167.14,41.48 167.29,41.16 167.41,40.82 167.5,40.48 ; MX26.2 162.84,91.52 162.85,91.17 162.87,90.81 162.92,90.46 162.98,90.11 163.06,89.76 163.15,89.42 163.26,89.08 163.39,88.75 163.54,88.42 163.7,88.11 163.87,87.8 164.06,87.5 164.27,87.21 164.48,86.93 164.72,86.66 164.96,86.4 171.23,80.13 171.47,79.87 171.68,79.58 171.86,79.28 172.01,78.96 172.13,78.62 172.22,78.28
  Bottom w0.25: 187.52,65.69 186.13,65.69 185.65,65.67 185.18,65.6 184.72,65.48 184.28,65.32 183.85,65.12 183.44,64.88 183.06,64.59 182.71,64.28 MX59.2 ; 187.52,65.69 167.23,65.69 166.75,65.67 166.28,65.6 165.82,65.48 165.38,65.32 164.95,65.12 164.54,64.88 164.16,64.59 163.81,64.28 MX58.2 ; 187.52,65.69 264.91,65.69 arc(265.68,65.54) 266.33,65.1 266.43,65 arc(266.87,64.35) 267.02,63.59 267.02,58.9 arc(267.29,57.52) 268.07,56.36 268.63,55.8 arc(269.8,55.02) 271.18,54.74 275.4,54.74 arc(276.77,55.02) 277.94,55.8 279.88,57.73 arc(280.91,58.42) 282.14,58.67 299.36,58.67 arc(300.58,58.42) 301.62,57.73 U1.28
col5: length 315.7
  Top w0.25: 195.85,59.38 195.76,59.72 195.64,60.06 195.49,60.38 195.3,60.68 195.09,60.97 194.85,61.23 193.31,62.77 193.07,63.03 192.83,63.3 192.62,63.58 192.41,63.87 192.22,64.17 192.05,64.48 191.89,64.8 191.74,65.12 191.61,65.46 191.5,65.79 191.41,66.14 191.33,66.48 191.27,66.83 191.22,67.19 191.2,67.54 191.19,67.9 MX43.2 ; MX11.2 214.81,115.15 214.81,114.79 214.78,114.44 214.74,114.08 214.68,113.73 214.6,113.39 214.5,113.04 214.39,112.71 214.26,112.37 214.12,112.05 213.96,111.73 213.78,111.42 213.59,111.12 213.39,110.83 213.17,110.55 212.94,110.28 212.69,110.02 201.7,99.03 201.46,98.77 201.25,98.48 201.07,98.18 200.92,97.86 200.8,97.52 200.71,97.18 ; 214.75,59.38 214.66,59.72 214.54,60.06 214.39,60.38 214.2,60.68 213.99,60.97 213.75,61.23 212.21,62.77 211.97,63.03 211.73,63.3 211.52,63.58 211.31,63.87 211.12,64.17 210.95,64.48 210.79,64.8 210.64,65.12 210.51,65.46 210.4,65.79 210.31,66.14 210.23,66.48 210.17,66.83 210.12,67.19 210.1,67.54 210.09,67.9 MX44.2 ; MX60.2 195.91,53.72 195.92,53.37 195.95,53.01 195.99,52.66 196.05,52.31 196.13,51.96 196.23,51.62 196.34,51.28 196.47,50.95 196.61,50.62 196.77,50.31 196.95,50 197.14,49.7 197.34,49.41 197.56,49.13 197.79,48.86 198.04,48.6 204.3,42.33 204.54,42.07 204.75,41.78 204.94,41.48 205.09,41.16 205.21,40.82 205.3,40.48 ; 181.81,97.18 181.9,97.52 182.02,97.86 182.17,98.18 182.35,98.48 182.56,98.77 182.8,99.03 193.79,110.02 194.04,110.28 194.27,110.55 194.49,110.83 194.69,111.12 194.88,111.42 195.06,111.73 195.22,112.05 195.36,112.37 195.49,112.71 195.6,113.04 195.7,113.39 195.78,113.73 195.84,114.08 195.88,114.44 195.91,114.79 195.91,115.15 MX10.2 ; 224.2,40.48 224.11,40.82 223.99,41.16 223.84,41.48 223.65,41.78 223.44,42.07 223.2,42.33 216.94,48.6 216.69,48.86 216.46,49.13 216.24,49.41 216.04,49.7 215.85,50 215.67,50.31 215.51,50.62 215.37,50.95 215.24,51.28 215.13,51.62 215.03,51.96 214.95,52.31 214.89,52.66 214.85,53.01 214.82,53.37 214.81,53.72 MX61.2 ; 191.12,78.28 191.03,78.62 190.91,78.96 190.76,79.28 190.58,79.58 190.37,79.87 190.13,80.13 183.86,86.4 183.62,86.66 183.38,86.93 183.17,87.21 182.96,87.5 182.77,87.8 182.6,88.11 182.44,88.42 182.29,88.75 182.16,89.08 182.05,89.42 181.96,89.76 181.88,90.11 181.82,90.46 181.77,90.81 181.75,91.17 181.74,91.52 MX27.2 ; MX28.2 200.64,91.52 200.65,91.17 200.67,90.81 200.72,90.46 200.78,90.11 200.86,89.76 200.95,89.42 201.06,89.08 201.19,88.75 201.34,88.42 201.5,88.11 201.67,87.8 201.86,87.5 202.07,87.21 202.28,86.93 202.52,86.66 202.76,86.4 209.03,80.13 209.27,79.87 209.48,79.58 209.66,79.28 209.81,78.96 209.93,78.62 210.02,78.28
  Bottom w0.25: 225.6,65.22 223.45,65.22 222.98,65.19 222.51,65.13 222.05,65.01 221.61,64.85 221.18,64.65 220.77,64.4 220.39,64.12 220.04,63.8 MX61.2 ; 225.6,65.22 264.84,65.22 arc(265.45,65.1) 265.97,64.75 266.08,64.65 arc(266.42,64.13) 266.54,63.51 266.54,58.83 arc(266.85,57.3) 267.72,56 268.28,55.44 arc(269.57,54.57) 271.11,54.27 275.47,54.27 arc(277,54.57) 278.3,55.44 280.23,57.37 arc(281.14,57.98) 282.21,58.19 299.29,58.19 arc(300.36,57.98) 301.27,57.37 U1.27 ; 225.6,65.22 204.55,65.22 204.08,65.19 203.61,65.13 203.15,65.01 202.71,64.85 202.28,64.65 201.87,64.4 201.49,64.12 201.14,63.8 MX60.2
col6: length 275.5
  Top w0.25: 238.44,91.52 MX30.2 ; 238.44,91.52 238.45,91.17 238.47,90.81 238.52,90.46 238.58,90.11 238.66,89.76 238.75,89.42 238.86,89.08 238.99,88.75 239.14,88.42 239.3,88.11 239.47,87.8 239.66,87.5 239.87,87.21 240.08,86.93 240.32,86.66 240.56,86.4 246.83,80.13 247.07,79.87 247.28,79.58 247.46,79.28 247.61,78.96 247.73,78.62 247.82,78.28 ; 238.44,91.52 238.43,91.17 238.41,90.81 238.36,90.46 238.3,90.11 238.22,89.76 238.13,89.42 238.02,89.08 237.89,88.75 237.74,88.42 237.58,88.11 237.41,87.8 237.22,87.5 237.01,87.21 236.8,86.93 236.56,86.66 236.32,86.4 230.05,80.13 229.81,79.87 229.6,79.58 229.42,79.28 229.27,78.96 229.15,78.62 229.06,78.28 ; MX12.2 233.72,115.15 233.71,114.79 233.68,114.44 233.64,114.08 233.58,113.73 233.5,113.39 233.4,113.04 233.29,112.71 233.16,112.37 233.02,112.05 232.86,111.73 232.68,111.42 232.49,111.12 232.29,110.83 232.07,110.55 231.84,110.28 231.59,110.02 220.6,99.03 220.36,98.77 220.15,98.48 219.97,98.18 219.82,97.86 219.7,97.52 219.61,97.18 ; MX13.2 252.61,115.15 252.61,114.79 252.58,114.44 252.54,114.08 252.48,113.73 252.4,113.39 252.3,113.04 252.19,112.71 252.06,112.37 251.92,112.05 251.76,111.73 251.58,111.42 251.39,111.12 251.19,110.83 250.97,110.55 250.74,110.28 250.49,110.02 239.5,99.03 239.26,98.77 239.05,98.48 238.87,98.18 238.72,97.86 238.6,97.52 238.51,97.18 ; MX62.2 233.72,34.82 233.71,34.47 233.68,34.11 233.64,33.76 233.58,33.41 233.5,33.06 233.4,32.72 233.29,32.38 233.16,32.05 233.02,31.72 232.86,31.41 232.68,31.1 232.49,30.8 232.29,30.51 232.07,30.23 231.84,29.96 231.59,29.7 226.13,24.24 225.97,24.06 225.81,23.88 225.67,23.7 225.53,23.5 225.4,23.3 225.29,23.1 225.18,22.89 225.08,22.67 225,22.45 224.92,22.22 224.86,21.99 224.81,21.76 ; MX29.2 219.54,91.52 219.55,91.17 219.57,90.81 219.62,90.46 219.68,90.11 219.76,89.76 219.85,89.42 219.96,89.08 220.09,88.75 220.24,88.42 220.4,88.11 220.57,87.8 220.76,87.5 220.97,87.21 221.18,86.93 221.42,86.66 221.66,86.4 227.93,80.13 228.17,79.87 228.38,79.58 228.56,79.28 228.71,78.96 228.83,78.62 228.92,78.28 ; MX45.2 228.99,67.9 229,67.54 229.02,67.19 229.07,66.83 229.13,66.48 229.21,66.14 229.3,65.79 229.41,65.46 229.54,65.12 229.69,64.8 229.85,64.48 230.02,64.17 230.21,63.87 230.42,63.58 230.63,63.3 230.87,63.03 231.11,62.77 232.65,61.23 232.89,60.97 233.1,60.68 233.29,60.38 233.44,60.06 233.56,59.72 233.65,59.38
  Bottom w0.25: U1.26 300.92,57.02 arc(300.14,57.54) 299.22,57.72 282.28,57.72 arc(281.36,57.54) 280.58,57.02 278.65,55.09 arc(277.22,54.13) 275.54,53.8 271.03,53.8 arc(269.35,54.13) 267.92,55.09 267.36,55.65 arc(266.41,57.08) 266.07,58.76 266.07,63.4 arc(265.97,63.9) 265.69,64.32 265.65,64.36 arc(265.22,64.65) 264.73,64.75 241.88,64.75 241.41,64.72 240.94,64.65 240.48,64.54 240.03,64.38 239.6,64.18 239.2,63.93 238.82,63.65 238.47,63.33 MX62.2 ; 234.31,59.17 250.19,59.17 arc(250.96,59.02) 251.61,58.58
